# KiCad board mtt_final.kicad_pcb (continued)
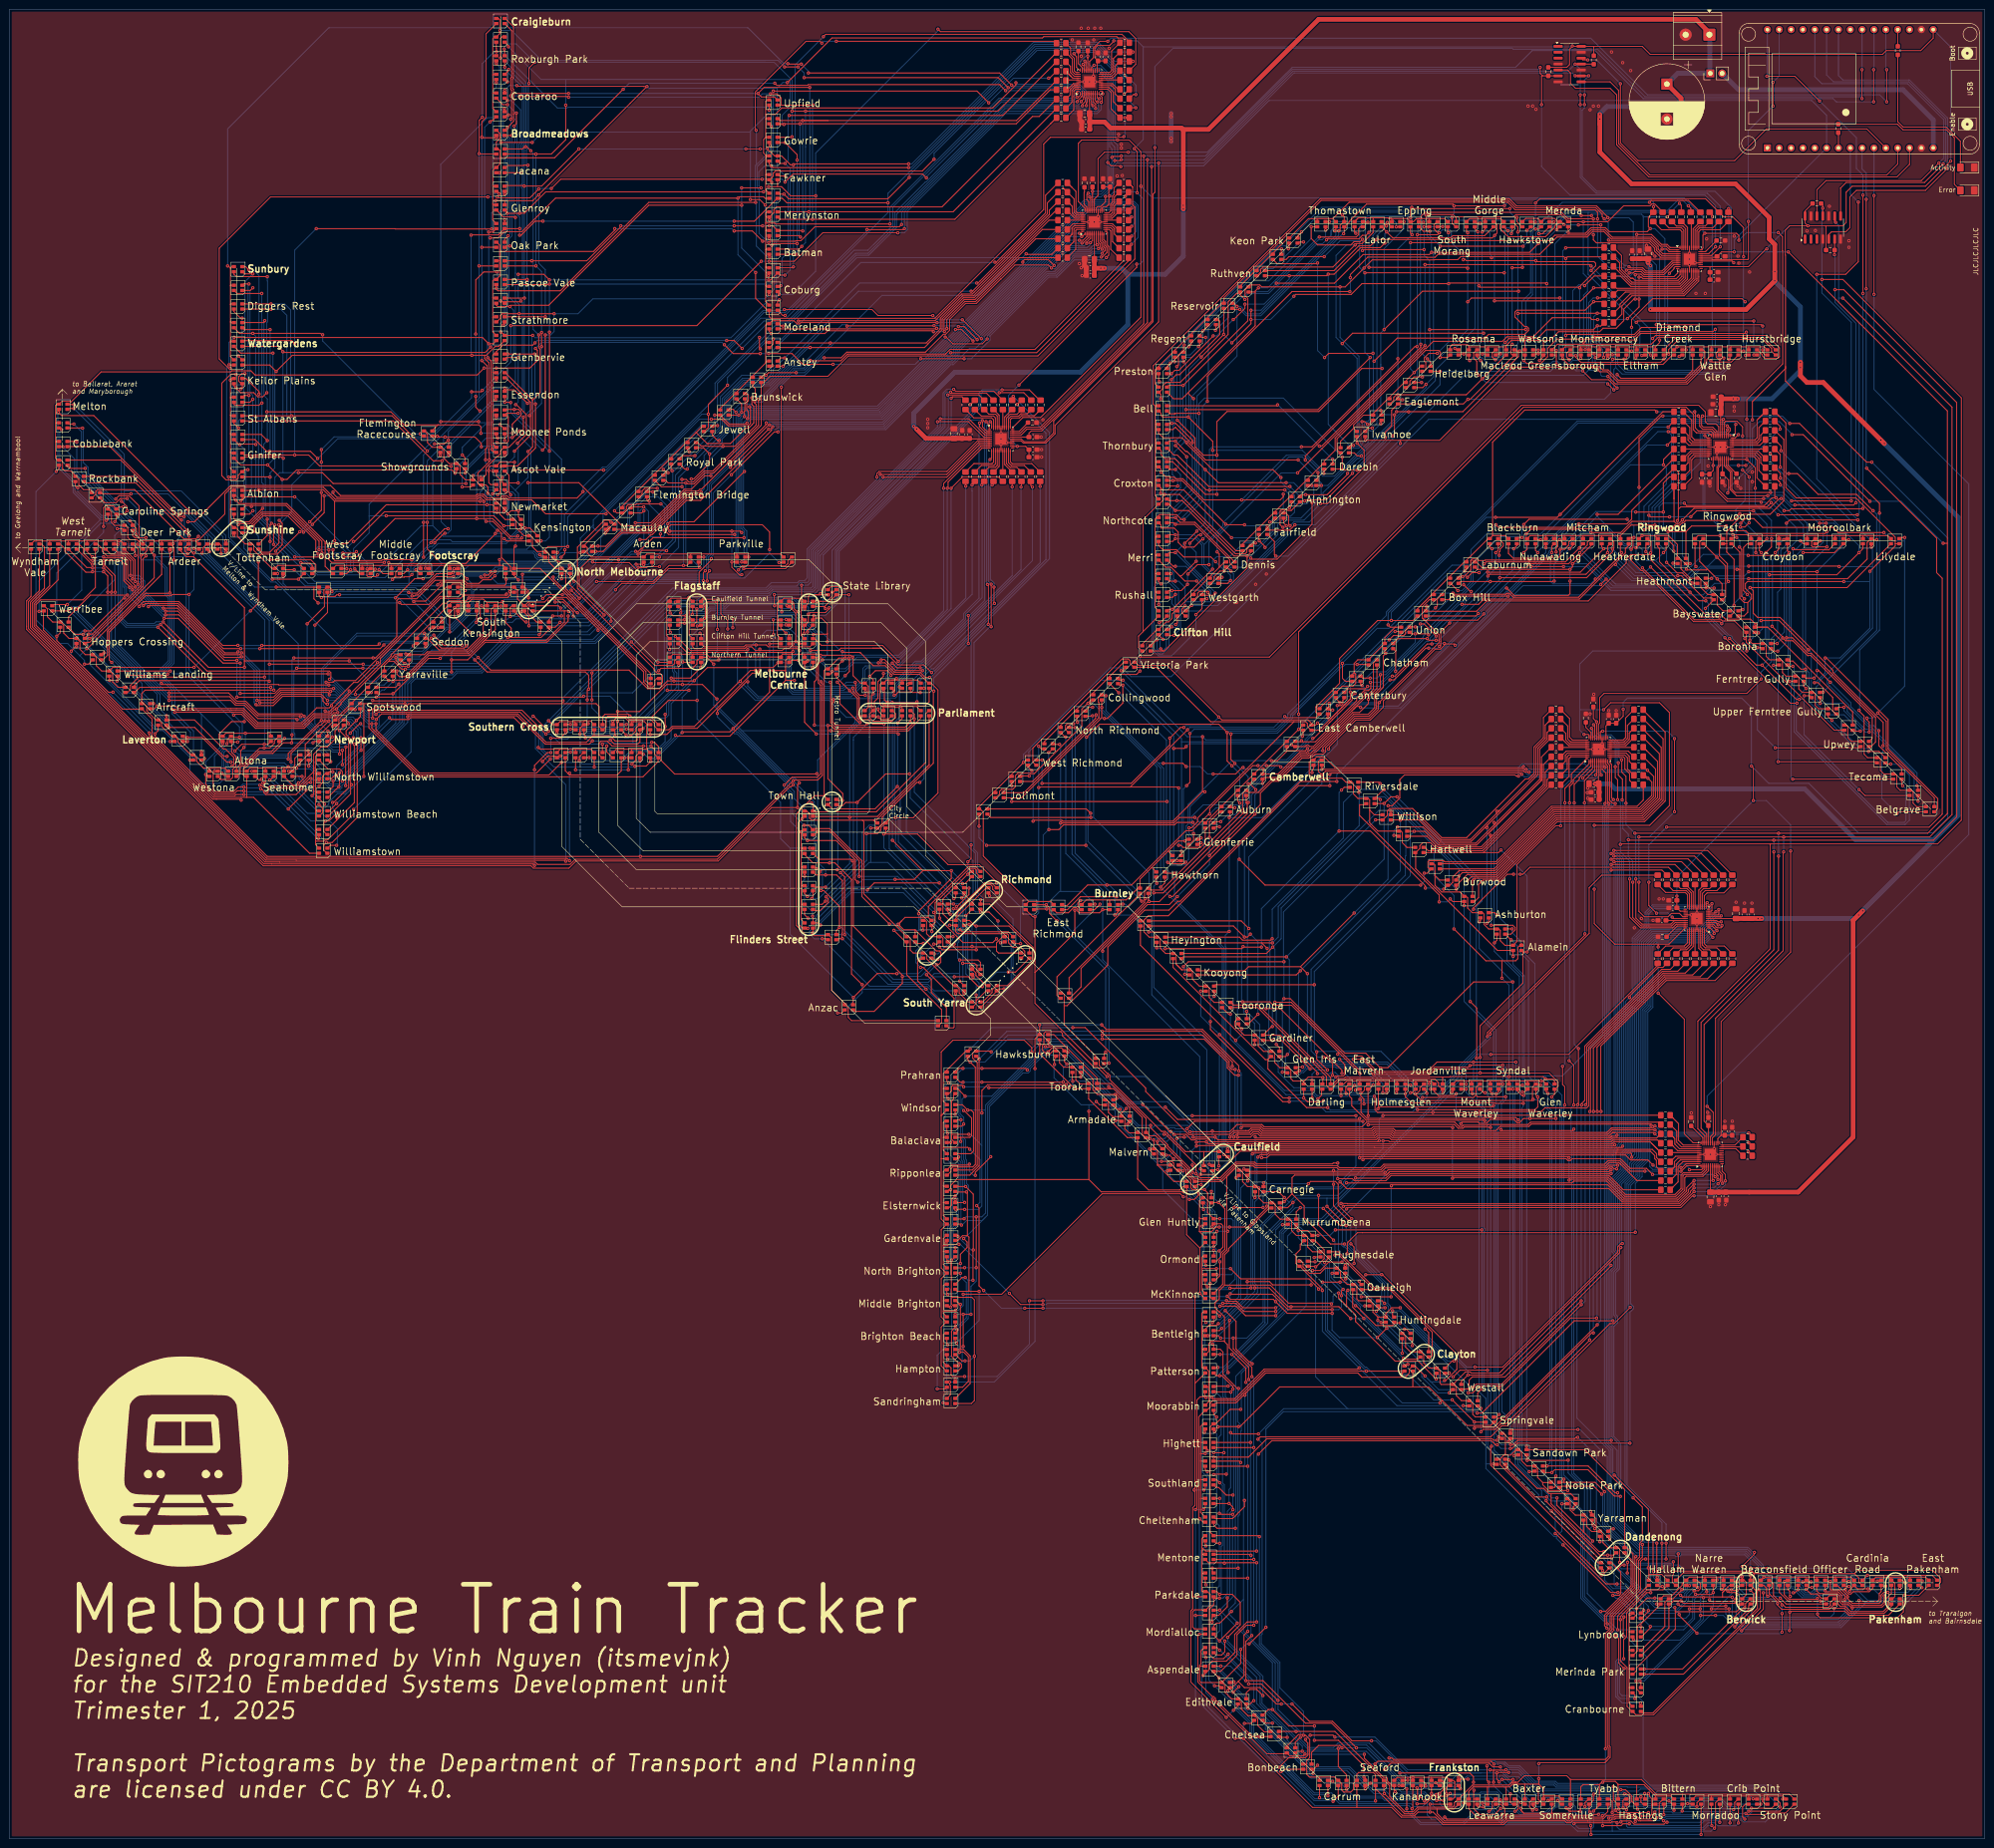
[diagram p0: board, top side]
## Placement (name value [footprint] x y rotation side) (continued)
R137  30R  [R_0805_2012Metric_Pad1.20x1.40mm_HandSolder]  355.07 143.2 180 top
R138  47R  [R_0805_2012Metric_Pad1.20x1.40mm_HandSolder]  355.07 145.2 180 top
R139  30R  [R_0805_2012Metric_Pad1.20x1.40mm_HandSolder]  355.07 147.2 180 top
R140  30R  [R_0805_2012Metric_Pad1.20x1.40mm_HandSolder]  355.07 149.2 180 top
R141  47R  [R_0805_2012Metric_Pad1.20x1.40mm_HandSolder]  355.07 151.2 180 top
R142  30R  [R_0805_2012Metric_Pad1.20x1.40mm_HandSolder]  355.07 153.2 180 top
R143  47R  [R_0805_2012Metric_Pad1.20x1.40mm_HandSolder]  372.67 150.5 0 top
R144  30R  [R_0805_2012Metric_Pad1.20x1.40mm_HandSolder]  355.07 155.2 180 top
R145  30R  [R_0805_2012Metric_Pad1.20x1.40mm_HandSolder]  372.67 148.5 0 top
R146  30R  [R_0805_2012Metric_Pad1.20x1.40mm_HandSolder]  372.67 146.5 0 top
R147  220R  [R_0603_1608Metric_Pad0.98x0.95mm_HandSolder]  404.88 383.6 270 top
R148  220R  [R_0603_1608Metric_Pad0.98x0.95mm_HandSolder]  392.1 366.9 90 top
R149  10k  [R_0603_1608Metric_Pad0.98x0.95mm_HandSolder]  339.7 381.59 90 top
R150  10k  [R_0603_1608Metric_Pad0.98x0.95mm_HandSolder]  329.94 379.09 90 top
R151  10k  [R_0603_1608Metric_Pad0.98x0.95mm_HandSolder]  387.51 350.8 180 top
R152  10k  [R_0603_1608Metric_Pad0.98x0.95mm_HandSolder]  390.41 340.8 180 top
U1  ESP32_DevKit_V1_DOIT  [esp32_devkit_v1_doit]  376.91 375.41 90 top
U2  AW20216S  [QFN-44-1EP_5x5mm_P0.4mm_EP2.45x2.45mm]  231.61 376.9 90 top
U3  AW20216S  [QFN-44-1EP_5x5mm_P0.4mm_EP2.45x2.45mm]  232.62 346.82 90 top
U4  AW20216S  [QFN-44-1EP_5x5mm_P0.4mm_EP2.45x2.45mm]  212.6 300.29 0 top
U5  AW20216S  [QFN-44-1EP_5x5mm_P0.4mm_EP2.45x2.45mm]  360.2 338.85 0 top
U6  AW20216S  [QFN-44-1EP_5x5mm_P0.4mm_EP2.45x2.45mm]  366.88 298.52 270 top
U7  AW20216S  [QFN-44-1EP_5x5mm_P0.4mm_EP2.45x2.45mm]  340.7 233.7 90 top
U8  AW20216S  [QFN-44-1EP_5x5mm_P0.4mm_EP2.45x2.45mm]  361.8 197.38 180 top
U9  AW20216S  [QFN-44-1EP_5x5mm_P0.4mm_EP2.45x2.45mm]  364.69 146.8 90 top
U10  74LS125  [SO-14_3.9x8.65mm_P1.27mm]  334.52 380.71 0 top
U11  74LS125  [SO-14_3.9x8.65mm_P1.27mm]  388.8 345.62 90 top

## Library data of the parts
C1 C4 C6 C9 C11 C12 C15 C17 C18 C21 C23 C24 C27 C29 C30 C33 C35 C36 C39 C41 C42 C45 C47 C48 = -: Description: Unpolarized capacitor; LCSC: C14663; ki_fp_filters: C_*
C2 C7 C13 C19 C25 C31 C37 C43 = -: Description: Unpolarized capacitor; LCSC: C380332; ki_fp_filters: C_*
C3 C5 C8 C10 C14 C16 C20 C22 C26 C28 C32 C34 C38 C40 C44 C46 = -: Description: Unpolarized capacitor; LCSC: C6119849; ki_fp_filters: C_*
C49 = -: Description: Polarized capacitor; LCSC: C2763; ki_fp_filters: CP_*
D1-D469 D471-D507 D511-D515 D517-D519 D523-D525 D529-D531 D535-D537 D541-D543 D547-D549 D553-D555 D559-D561 D565-D567 D571-D573 = -: Datasheet: https://www.lcsc.com/datasheet/lcsc_datasheet_2410121250_Foshan-NationStar-Optoelectronics-NH-B2020RGBA-HF_C2874116.pdf; Description: 2.1x2.1mm RGBA LED; LCSC: C2874116; ki_fp_filters: LED* LED_SMD:* LED_THT:*
D508 D509 = -: Description: Light emitting diode; LCSC: C965822; ki_fp_filters: LED* LED_SMD:* LED_THT:*
J1 = -: Description: Generic screw terminal, single row, 01x02, script generated (kicad-library-utils/schlib/autogen/connector/); LCSC: C5183929; ki_fp_filters: TerminalBlock*:*
JP1 = -: Description: Jumper, 2-pole, closed/bridged; ki_fp_filters: Jumper* TestPoint*2Pads* TestPoint*Bridge*
R1 R20 R39 R58 R77 R96 R115 R134 R149-R152 = -: Description: Resistor; LCSC: C2930231; ki_fp_filters: R_*
R2 R5 R8 R11 R14 R17 R21 R24 R27 R30 R33 R36 R40 R43 R46 R49 R52 R55 R59 R62 R65 R68 R71 R74 R78 R81 R84 R87 R90 R93 R97 R100 R103 R106 R109 R112 R116 R119 R122 R125 R128 R131 R135 R138 R141 R143 = -: Description: Resistor; LCSC: C139871; ki_fp_filters: R_*
R3 R4 R6 R7 R9 R10 R12 R13 R15 R16 R18 R19 R22 R23 R25 R26 R28 R29 R31 R32 R34 R35 R37 R38 R41 R42 R44 R45 R47 R48 R50 R51 R53 R54 R56 R57 R60 R61 R63 R64 R66 R67 R69 R70 R72 R73 R75 R76 R79 R80 R82 R83 R85 R86 R88 R89 R91 R92 R94 R95 R98 R99 R101 R102 R104 R105 R107 R108 R110 R111 R113 R114 R117 R118 R120 R121 R123 R124 R126 R127 R129 R130 R132 R133 R136 R137 R139 R140 R142 R144-R146 = -: Description: Resistor; LCSC: C3017821; ki_fp_filters: R_*
R147 R148 = -: Description: Resistor; LCSC: C2907127; ki_fp_filters: R_*
U1 = -: Datasheet: https://aliexpress.com/item/32864722159.html; Description: 32-bit microcontroller module with WiFi and Bluetooth; ki_fp_filters: esp32?devkit?v1?doit*
U2-U9 = -: Datasheet: https://doc.awinic.com/doc/202412/a055779b-49c0-4d09-8f04-73029f44b72b.pdf; Description: 18x12 Matrix LED Driver with Auto Breath; LCSC: C7385556
U10 U11 = -: Datasheet: http://www.ti.com/lit/gpn/sn74LS125; Description: Quad buffer 3-State outputs; LCSC: C93012; ki_fp_filters: DIP*W7.62mm*

## Footprints (pads in the part's own frame, mm; a bottom-side part is the same pattern mirrored in y, then rotated)
C_0603_1608Metric_Pad1.08x0.95mm_HandSolder
  rrect 1.075x0.95 smd: 1(-0.863,0) 2(0.863,0)
C_0805_2012Metric_Pad1.18x1.45mm_HandSolder
  rrect 1.175x1.45 smd: 1(-1.038,0) 2(1.038,0)
CP_Radial_D16.0mm_P7.50mm
  rect 2.4x2.4 hole 1.2: 1(0,0)
  round 2.4 hole 1.2: 2(7.5,0)
esp32_devkit_v1_doit
  rect 1.524x1.524 hole 0.762: 1(-12.7,0)
  round 1.524 hole 0.762: 2(-12.7,-2.54) 3(-12.7,-5.08) 4(-12.7,-7.62) 5(-12.7,-10.16) 6(-12.7,-12.7) 7(-12.7,-15.24) 8(-12.7,-17.78) 9(-12.7,-20.32) 10(-12.7,-22.86) 11(-12.7,-25.4) 12(-12.7,-27.94) 13(-12.7,-30.48) 14(-12.7,-33.02) 15(-12.7,-35.56) 16(12.7,-35.56) 17(12.7,-33.02) 18(12.7,-30.48) 19(12.7,-27.94) 20(12.7,-25.4) 21(12.7,-22.86) 22(12.7,-20.32) 23(12.7,-17.78) 24(12.7,-15.24) 25(12.7,-12.7) 26(12.7,-10.16) 27(12.7,-7.62) 28(12.7,-5.08) 29(12.7,-2.54) 30(12.7,0)
LED_1206_3216Metric_Pad1.42x1.75mm_HandSolder
  rrect 1.425x1.75 smd: 1(-1.488,0) 2(1.488,0)
LED_RGB_Foshan-2020
  rrect 0.9x0.7 smd: 1(0.9,-0.55) 2(-0.9,-0.55) 3(-0.9,0.55) 4(0.9,0.55)
PinHeader_1x02_P2.54mm_Vertical
  rect 1.7x1.7 hole 1: 1(0,0)
  round 1.7 hole 1: 2(0,-2.54)
QFN-44-1EP_5x5mm_P0.4mm_EP2.45x2.45mm
  rrect 0.66x0.66 smd: (-0.82,0.82) (-0.82,0) (-0.82,-0.82) (0,0.82) (0,0) (0,-0.82) (0.82,0.82) (0.82,0) (0.82,-0.82)
  rrect 0.725x0.2 smd: 1(-2.515,2) 11(-2.515,-2) 23(2.515,-2) 33(2.515,2)
  rrect 0.975x0.2 smd: 2(-2.388,1.6) 3(-2.388,1.2) 4(-2.388,0.8) 5(-2.388,0.4) 6(-2.388,0) 7(-2.388,-0.4) 8(-2.388,-0.8) 9(-2.388,-1.2) 10(-2.388,-1.6) 24(2.388,-1.6) 25(2.388,-1.2) 26(2.388,-0.8) 27(2.388,-0.4) 28(2.388,0) 29(2.388,0.4) 30(2.388,0.8) 31(2.388,1.2) 32(2.388,1.6)
  rrect 0.2x0.725 smd: 12(-2,-2.515) 22(2,-2.515) 34(2,2.515) 44(-2,2.515)
  rrect 0.2x0.975 smd: 13(-1.6,-2.388) 14(-1.2,-2.388) 15(-0.8,-2.388) 16(-0.4,-2.388) 17(0,-2.388) 18(0.4,-2.388) 19(0.8,-2.388) 20(1.2,-2.388) 21(1.6,-2.388) 35(1.6,2.388) 36(1.2,2.388) 37(0.8,2.388) 38(0.4,2.388) 39(0,2.388) 40(-0.4,2.388) 41(-0.8,2.388) 42(-1.2,2.388) 43(-1.6,2.388)
  rect 2.45x2.45 smd: 45(0,0)
R_0603_1608Metric_Pad0.98x0.95mm_HandSolder
  rrect 0.975x0.95 smd: 1(-0.912,0) 2(0.912,0)
R_0805_2012Metric_Pad1.20x1.40mm_HandSolder
  rrect 1.2x1.4 smd: 1(-1,0) 2(1,0)
SO-14_3.9x8.65mm_P1.27mm
  rrect 1.95x0.6 smd: 1(-2.475,3.81) 2(-2.475,2.54) 3(-2.475,1.27) 4(-2.475,0) 5(-2.475,-1.27) 6(-2.475,-2.54) 7(-2.475,-3.81) 8(2.475,-3.81) 9(2.475,-2.54) 10(2.475,-1.27) 11(2.475,0) 12(2.475,1.27) 13(2.475,2.54) 14(2.475,3.81)
TerminalBlock_Phoenix_MKDS-1,5-2-5.08_1x02_P5.08mm_Horizontal
  rrect 2.6x2.6 hole 1.3: 1(0,0)
  round 2.6 hole 1.3: 2(5.08,0)

## Nets
+3.3V: C5.2 C6.2 C10.2 C11.2 C16.2 C17.2 C22.2 C23.2 C28.2 C29.2 C34.2 C35.2 C40.2 C41.2 C46.2 C47.2 R149.2 R150.2 R151.2 R152.2 U1.16 U2.24 U3.24 U4.24 U5.24 U6.24 U7.24 U8.24 U9.24 U10.14 U11.14
+5V: C2.2 C3.2 C4.2 C7.2 C8.2 C9.2 C13.2 C14.2 C15.2 C19.2 C20.2 C21.2 C25.2 C26.2 C27.2 C31.2 C32.2 C33.2 C37.2 C38.2 C39.2 C43.2 C44.2 C45.2 C49.1 J1.1 JP1.1 U2.6 U3.6 U4.6 U5.6 U6.6 U7.6 U8.6 U9.6
GND: C1.1 C2.1 C3.1 C4.1 C5.1 C6.1 C7.1 C8.1 C9.1 C10.1 C11.1 C12.1 C13.1 C14.1 C15.1 C16.1 C17.1 C18.1 C19.1 C20.1 C21.1 C22.1 C23.1 C24.1 C25.1 C26.1 C27.1 C28.1 C29.1 C30.1 C31.1 C32.1 C33.1 C34.1 C35.1 C36.1 C37.1 C38.1 C39.1 C40.1 C41.1 C42.1 C43.1 C44.1 C45.1 C46.1 C47.1 C48.1 C49.2 D508.1 D509.1 J1.2 R1.1 R20.1 R39.1 R58.1 R77.1 R96.1 R115.1 R134.1 U1.14 U1.17 U2.17 U2.26 U2.39 U2.45 U3.17 U3.26 U3.39 U3.45 U4.17 U4.26 U4.39 U4.45 U5.17 U5.26 U5.39 U5.45 U6.17 U6.26 U6.39 U6.45 U7.17 U7.26 U7.39 U7.45 U8.17 U8.26 U8.39 U8.45 U9.17 U9.26 U9.39 U9.45 U10.4 U10.7 U10.10 U10.13 U11.4 U11.7 U11.10 U11.13
/DRV_EN: C1.2 C12.2 C18.2 C24.2 C30.2 C36.2 C42.2 C48.2 U1.6 U2.29 U3.29 U4.29 U5.29 U6.29 U7.29 U8.29 U9.29
/H_MISO_UB: U1.12 U10.8
/H_MOSI_UB: U1.13 U10.5
/H_SCK_UB: U1.11 U10.12
/L0_A0: D1.3 D2.3 D3.3 D4.3 D5.3 D6.3 U2.7
/L0_A1: D7.3 D8.3 D9.3 D10.3 D11.3 D12.3 U2.5
/L0_A2: D13.3 D14.3 D15.3 D16.3 D17.3 D18.3 U2.8
/L0_A3: D19.3 D20.3 D21.3 D22.3 D23.3 D24.3 U2.4
/L0_A4: D25.3 D26.3 D27.3 D28.3 D29.3 D30.3 U2.9
/L0_A5: D31.3 D32.3 D33.3 D34.3 D35.3 D36.3 U2.3
/L0_A6: D37.3 D38.3 D39.3 D40.3 D41.3 D42.3 U2.10
/L0_A7: D43.3 D44.3 D45.3 D46.3 D47.3 D48.3 U2.2
/L0_A8: D49.3 D50.3 D51.3 D52.3 D53.3 D54.3 U2.11
/L0_A9: D55.3 D56.3 D57.3 D58.3 D59.3 D60.3 U2.1
/L0_A10: D61.3 D62.3 D63.3 D64.3 D65.3 D66.3 U2.12
/L0_A11: D67.3 D68.3 D69.3 D70.3 D71.3 D72.3 U2.44
/L0_CS: U1.20 U2.28
/L0_K0B: R4.1 U2.41
/L0_K0G: R3.1 U2.42
/L0_K0R: R2.1 U2.43
/L0_K1B: R7.1 U2.37
/L0_K1G: R6.1 U2.38
/L0_K1R: R5.1 U2.40
/L0_K2B: R10.1 U2.34
/L0_K2G: R9.1 U2.35
/L0_K2R: R8.1 U2.36
/L0_K3B: R13.1 U2.20
/L0_K3G: R12.1 U2.21
/L0_K3R: R11.1 U2.22
/L0_K4B: R16.1 U2.16
/L0_K4G: R15.1 U2.18
/L0_K4R: R14.1 U2.19
/L0_K5B: R19.1 U2.13
/L0_K5G: R18.1 U2.14
/L0_K5R: R17.1 U2.15
/L1_A0: D73.3 D74.3 D75.3 D76.3 D77.3 D78.3 U3.7
/L1_A1: D79.3 D80.3 D81.3 D82.3 D83.3 D84.3 U3.5
/L1_A2: D85.3 D86.3 D87.3 D88.3 D89.3 D90.3 U3.8
/L1_A3: D91.3 D92.3 D93.3 D94.3 D95.3 D96.3 U3.4
/L1_A4: D97.3 D98.3 D99.3 D100.3 D101.3 D102.3 U3.9
/L1_A5: D103.3 D104.3 D105.3 D106.3 D107.3 D108.3 U3.3
/L1_A6: D109.3 D110.3 D111.3 D112.3 D113.3 D114.3 U3.10
/L1_A7: D115.3 D116.3 D117.3 D118.3 D119.3 D120.3 U3.2
/L1_A8: D121.3 D122.3 D123.3 D124.3 D125.3 D126.3 U3.11
/L1_A9: D127.3 D128.3 D129.3 D130.3 D131.3 D132.3 U3.1
/L1_A10: D133.3 D134.3 D135.3 D136.3 D137.3 D138.3 U3.12
/L1_A11: D139.3 D140.3 D141.3 D142.3 D143.3 D144.3 U3.44
/L1_CS: U1.21 U3.28
/L1_K0B: R23.1 U3.41
/L1_K0G: R22.1 U3.42
/L1_K0R: R21.1 U3.43
/L1_K1B: R26.1 U3.37
/L1_K1G: R25.1 U3.38
/L1_K1R: R24.1 U3.40
/L1_K2B: R29.1 U3.34
/L1_K2G: R28.1 U3.35
/L1_K2R: R27.1 U3.36
/L1_K3B: R32.1 U3.20
/L1_K3G: R31.1 U3.21
/L1_K3R: R30.1 U3.22
/L1_K4B: R35.1 U3.16
/L1_K4G: R34.1 U3.18
/L1_K4R: R33.1 U3.19
/L1_K5B: R38.1 U3.13
/L1_K5G: R37.1 U3.14
/L1_K5R: R36.1 U3.15
/L2_A0: D145.3 D146.3 D147.3 D148.3 D149.3 D150.3 U4.7
/L2_A1: D151.3 D152.3 D153.3 D154.3 D155.3 D156.3 U4.5
/L2_A2: D157.3 D158.3 D159.3 D160.3 D161.3 D162.3 U4.8
/L2_A3: D163.3 D164.3 D165.3 D166.3 D167.3 D168.3 U4.4
/L2_A4: D169.3 D170.3 D171.3 D172.3 D173.3 D174.3 U4.9
/L2_A5: D175.3 D176.3 D177.3 D178.3 D179.3 D180.3 U4.3
/L2_A6: D181.3 D182.3 D183.3 D184.3 D185.3 D186.3 U4.10
/L2_A7: D187.3 D188.3 D189.3 D190.3 D191.3 D192.3 U4.2
/L2_A8: D193.3 D194.3 D195.3 D196.3 D197.3 D198.3 U4.11
/L2_A9: D199.3 D200.3 D201.3 D202.3 D203.3 D204.3 U4.1
/L2_A10: D205.3 D206.3 D207.3 D208.3 D209.3 D210.3 U4.12
/L2_A11: D211.3 D212.3 D213.3 D214.3 D215.3 D216.3 U4.44
/L2_CS: U1.22 U4.28
/L2_K0B: R42.1 U4.41
/L2_K0G: R41.1 U4.42
/L2_K0R: R40.1 U4.43
/L2_K1B: R45.1 U4.37
/L2_K1G: R44.1 U4.38
/L2_K1R: R43.1 U4.40
/L2_K2B: R48.1 U4.34
/L2_K2G: R47.1 U4.35
/L2_K2R: R46.1 U4.36
/L2_K3B: R51.1 U4.20
/L2_K3G: R50.1 U4.21
/L2_K3R: R49.1 U4.22
/L2_K4B: R54.1 U4.16
/L2_K4G: R53.1 U4.18
/L2_K4R: R52.1 U4.19
/L2_K5B: R57.1 U4.13
/L2_K5G: R56.1 U4.14
/L2_K5R: R55.1 U4.15
/L3_A0: D217.3 D218.3 D219.3 D220.3 D221.3 D222.3 U5.7
/L3_A1: D223.3 D224.3 D225.3 D226.3 D227.3 D228.3 U5.5
/L3_A2: D229.3 D230.3 D231.3 D232.3 D233.3 D234.3 U5.8
/L3_A3: D235.3 D236.3 D237.3 D238.3 D239.3 D240.3 U5.4
/L3_A4: D241.3 D242.3 D243.3 D244.3 D245.3 D246.3 U5.9
/L3_A5: D247.3 D248.3 D249.3 D250.3 D251.3 D252.3 U5.3
/L3_A6: D253.3 D254.3 D255.3 D256.3 D257.3 D258.3 U5.10
/L3_A7: D259.3 D260.3 D261.3 D262.3 D263.3 D264.3 U5.2
/L3_A8: D265.3 D266.3 D267.3 D268.3 D269.3 D270.3 U5.11
/L3_A9: D271.3 D272.3 D273.3 D274.3 D275.3 D276.3 U5.1
/L3_A10: D277.3 D278.3 D279.3 D280.3 D281.3 D282.3 U5.12
/L3_A11: D283.3 D284.3 D285.3 D286.3 D287.3 D288.3 U5.44
/L3_CS: U1.29 U5.28
/L3_K0B: R61.1 U5.41
/L3_K0G: R60.1 U5.42
/L3_K0R: R59.1 U5.43
/L3_K1B: R64.1 U5.37
/L3_K1G: R63.1 U5.38
/L3_K1R: R62.1 U5.40
/L3_K2B: R67.1 U5.34
/L3_K2G: R66.1 U5.35
/L3_K2R: R65.1 U5.36
/L3_K3B: R70.1 U5.20
/L3_K3G: R69.1 U5.21
/L3_K3R: R68.1 U5.22
/L3_K4B: R73.1 U5.16
/L3_K4G: R72.1 U5.18
/L3_K4R: R71.1 U5.19
/L3_K5B: R76.1 U5.13
/L3_K5G: R75.1 U5.14
/L3_K5R: R74.1 U5.15
/L4_A0: D289.3 D290.3 D291.3 D292.3 D293.3 D294.3 U6.7
/L4_A1: D295.3 D296.3 D297.3 D298.3 D299.3 D300.3 U6.5
/L4_A2: D301.3 D302.3 D303.3 D304.3 D305.3 D306.3 U6.8
/L4_A3: D307.3 D308.3 D309.3 D310.3 D311.3 D312.3 U6.4
/L4_A4: D313.3 D314.3 D315.3 D316.3 D317.3 D318.3 U6.9
/L4_A5: D319.3 D320.3 D321.3 D322.3 D323.3 D324.3 U6.3
/L4_A6: D325.3 D326.3 D327.3 D328.3 D329.3 D330.3 U6.10
/L4_A7: D331.3 D332.3 D333.3 D334.3 D335.3 D336.3 U6.2
/L4_A8: D337.3 D338.3 D339.3 D340.3 D341.3 D342.3 U6.11
/L4_A9: D343.3 D344.3 D345.3 D346.3 D347.3 D348.3 U6.1
/L4_A10: D349.3 D350.3 D351.3 D352.3 D353.3 D354.3 U6.12
/L4_A11: D355.3 D356.3 D429.3 D430.3 D431.3 D432.3 U6.44
/L4_CS: U1.30 U6.28
/L4_K0B: R80.1 U6.41
/L4_K0G: R79.1 U6.42
/L4_K0R: R78.1 U6.43
/L4_K1B: R83.1 U6.37
/L4_K1G: R82.1 U6.38
/L4_K1R: R81.1 U6.40
/L4_K2B: R86.1 U6.34
/L4_K2G: R85.1 U6.35
/L4_K2R: R84.1 U6.36
/L4_K3B: R89.1 U6.20
/L4_K3G: R88.1 U6.21
/L4_K3R: R87.1 U6.22
/L4_K4B: R92.1 U6.16
/L4_K4G: R91.1 U6.18
/L4_K4R: R90.1 U6.19
/L4_K5B: R95.1 U6.13
/L4_K5G: R94.1 U6.14
/L4_K5R: R93.1 U6.15
/L5_A0: D357.3 D358.3 D359.3 D360.3 D361.3 D362.3 U7.7
/L5_A1: D363.3 D364.3 D365.3 D366.3 D367.3 D368.3 U7.5
/L5_A2: D369.3 D370.3 D371.3 D372.3 D373.3 D374.3 U7.8
/L5_A3: D375.3 D376.3 D377.3 D378.3 D379.3 D380.3 U7.4
/L5_A4: D381.3 D382.3 D383.3 D384.3 D385.3 D386.3 U7.9
/L5_A5: D387.3 D388.3 D389.3 D390.3 D391.3 D392.3 U7.3
/L5_A6: D393.3 D394.3 D395.3 D396.3 D397.3 D398.3 U7.10
/L5_A7: D399.3 D400.3 D401.3 D402.3 D403.3 D404.3 U7.2
/L5_A8: D405.3 D406.3 D407.3 D408.3 D409.3 D410.3 U7.11
/L5_A9: D411.3 D412.3 D413.3 D414.3 D415.3 D416.3 U7.1
/L5_A10: D417.3 D418.3 D419.3 D420.3 D421.3 D422.3 U7.12
/L5_A11: D423.3 D424.3 D425.3 D426.3 D427.3 D428.3 U7.44
/L5_CS: U1.8 U7.28
/L5_K0B: R99.1 U7.41
/L5_K0G: R98.1 U7.42
/L5_K0R: R97.1 U7.43
/L5_K1B: R102.1 U7.37
/L5_K1G: R101.1 U7.38
/L5_K1R: R100.1 U7.40
/L5_K2B: R105.1 U7.34
/L5_K2G: R104.1 U7.35
/L5_K2R: R103.1 U7.36
/L5_K3B: R108.1 U7.20
/L5_K3G: R107.1 U7.21
/L5_K3R: R106.1 U7.22
/L5_K4B: R111.1 U7.16
/L5_K4G: R110.1 U7.18
/L5_K4R: R109.1 U7.19
/L5_K5B: R114.1 U7.13
/L5_K5G: R113.1 U7.14
/L5_K5R: R112.1 U7.15
/L6_A0: D433.3 D434.3 D435.3 D436.3 D437.3 D438.3 U8.7
/L6_A1: D439.3 D440.3 D441.3 D442.3 D443.3 D444.3 U8.5
/L6_A2: D445.3 D446.3 D447.3 D448.3 D449.3 D450.3 U8.8
/L6_A3: D451.3 D452.3 D453.3 D454.3 D455.3 D456.3 U8.4
/L6_A4: D457.3 D458.3 D459.3 D460.3 D461.3 D462.3 U8.9
/L6_A5: D463.3 D464.3 D465.3 D466.3 D467.3 D468.3 U8.3
/L6_A6: D469.3 D471.3 D472.3 D473.3 D474.3 U8.10
/L6_A7: D475.3 D476.3 D477.3 D478.3 D479.3 D480.3 U8.2
/L6_A8: D481.3 D482.3 D483.3 D484.3 D485.3 D486.3 U8.11
/L6_A9: D487.3 D488.3 D489.3 D490.3 D491.3 D492.3 U8.1
/L6_A10: D493.3 D494.3 D495.3 D496.3 D497.3 D498.3 U8.12
/L6_A11: D499.3 D500.3 D501.3 D502.3 D503.3 D504.3 U8.44
/L6_CS: U1.9 U8.28
/L6_K0B: R118.1 U8.41
/L6_K0G: R117.1 U8.42
/L6_K0R: R116.1 U8.43
/L6_K1B: R121.1 U8.37
/L6_K1G: R120.1 U8.38
/L6_K1R: R119.1 U8.40
/L6_K2B: R124.1 U8.34
/L6_K2G: R123.1 U8.35
/L6_K2R: R122.1 U8.36
/L6_K3B: R127.1 U8.20
/L6_K3G: R126.1 U8.21
/L6_K3R: R125.1 U8.22
/L6_K4B: R130.1 U8.16
/L6_K4G: R129.1 U8.18
/L6_K4R: R128.1 U8.19
/L6_K5B: R133.1 U8.13
/L6_K5G: R132.1 U8.14
/L6_K5R: R131.1 U8.15
/L7_A0: D505.3 D506.3 D507.3 U9.7
/L7_A1: D511.3 D512.3 D513.3 U9.5
/L7_A2: D517.3 D518.3 D519.3 U9.8
/L7_A3: D523.3 D524.3 D525.3 U9.4
/L7_A4: D529.3 D530.3 D531.3 U9.9
/L7_A5: D535.3 D536.3 D537.3 U9.3
/L7_A6: D541.3 D542.3 D543.3 U9.10
/L7_A7: D547.3 D548.3 D549.3 U9.2
/L7_A8: D553.3 D554.3 D555.3 U9.11
/L7_A9: D515.3 D559.3 D560.3 D561.3 U9.1
/L7_A10: D565.3 D566.3 D567.3 U9.12
/L7_A11: D514.3 D571.3 D572.3 D573.3 U9.44
/L7_CS: U1.10 U9.28
/L7_K0B: R137.1 U9.41
/L7_K0G: R136.1 U9.42
/L7_K0R: R135.1 U9.43
/L7_K1B: R140.1 U9.37
/L7_K1G: R139.1 U9.38
/L7_K1R: R138.1 U9.40
/L7_K2B: R144.1 U9.34
/L7_K2G: R142.1 U9.35
/L7_K2R: R141.1 U9.36
/L7_K3G: R145.1 U9.21
/L7_K3R: R143.1 U9.22
/L7_K4G: R146.1 U9.20
/MISO_A: U2.27 U3.27 U4.27 U5.27 U10.9
/MISO_B: U6.27 U7.27 U8.27 U9.27 U11.9
/MOSI_A: R150.1 U2.31 U3.31 U4.31 U5.31 U10.6
/MOSI_B: R151.1 U6.31 U7.31 U8.31 U9.31 U11.11
/SCK_A: R149.1 U2.30 U3.30 U4.30 U5.30 U10.11
/SCK_B: R152.1 U6.30 U7.30 U8.30 U9.30 U11.6
/SYNC: U2.33 U3.33 U4.33 U5.33 U6.33 U7.33 U8.33 U9.33
/V_MISO_UB: U1.25 U11.8
/V_MOSI_UB: U1.26 U11.12
/V_SCK_UB: U1.24 U11.5
Net-(D1-BK): D1.2 D7.2 D13.2 D19.2 D25.2 D31.2 D37.2 D43.2 D49.2 D55.2 D61.2 D67.2 R4.2
Net-(D1-GK): D1.4 D7.4 D13.4 D19.4 D25.4 D31.4 D37.4 D43.4 D49.4 D55.4 D61.4 D67.4 R3.2
Net-(D1-RK): D1.1 D7.1 D13.1 D19.1 D25.1 D31.1 D37.1 D43.1 D49.1 D55.1 D61.1 D67.1 R2.2
Net-(D10-BK): D4.2 D10.2 D16.2 D22.2 D28.2 D34.2 D40.2 D46.2 D52.2 D58.2 D64.2 D70.2 R13.2
Net-(D10-GK): D4.4 D10.4 D16.4 D22.4 D28.4 D34.4 D40.4 D46.4 D52.4 D58.4 D64.4 D70.4 R12.2
Net-(D10-RK): D4.1 D10.1 D16.1 D22.1 D28.1 D34.1 D40.1 D46.1 D52.1 D58.1 D64.1 D70.1 R11.2
Net-(D11-BK): D5.2 D11.2 D17.2 D23.2 D29.2 D35.2 D41.2 D47.2 D53.2 D59.2 D65.2 D71.2 R16.2
Net-(D11-GK): D5.4 D11.4 D17.4 D23.4 D29.4 D35.4 D41.4 D47.4 D53.4 D59.4 D65.4 D71.4 R15.2
Net-(D11-RK): D5.1 D11.1 D17.1 D23.1 D29.1 D35.1 D41.1 D47.1 D53.1 D59.1 D65.1 D71.1 R14.2
Net-(D12-BK): D6.2 D12.2 D18.2 D24.2 D30.2 D36.2 D42.2 D48.2 D54.2 D60.2 D66.2 D72.2 R19.2
Net-(D12-GK): D6.4 D12.4 D18.4 D24.4 D30.4 D36.4 D42.4 D48.4 D54.4 D60.4 D66.4 D72.4 R18.2
Net-(D12-RK): D6.1 D12.1 D18.1 D24.1 D30.1 D36.1 D42.1 D48.1 D54.1 D60.1 D66.1 D72.1 R17.2
Net-(D14-BK): D2.2 D8.2 D14.2 D20.2 D26.2 D32.2 D38.2 D44.2 D50.2 D56.2 D62.2 D68.2 R7.2
Net-(D14-GK): D2.4 D8.4 D14.4 D20.4 D26.4 D32.4 D38.4 D44.4 D50.4 D56.4 D62.4 D68.4 R6.2
Net-(D14-RK): D2.1 D8.1 D14.1 D20.1 D26.1 D32.1 D38.1 D44.1 D50.1 D56.1 D62.1 D68.1 R5.2
Net-(D15-BK): D3.2 D9.2 D15.2 D21.2 D27.2 D33.2 D39.2 D45.2 D51.2 D57.2 D63.2 D69.2 R10.2
Net-(D15-GK): D3.4 D9.4 D15.4 D21.4 D27.4 D33.4 D39.4 D45.4 D51.4 D57.4 D63.4 D69.4 R9.2
Net-(D15-RK): D3.1 D9.1 D15.1 D21.1 D27.1 D33.1 D39.1 D45.1 D51.1 D57.1 D63.1 D69.1 R8.2
Net-(D100-BK): D76.2 D82.2 D88.2 D94.2 D100.2 D106.2 D112.2 D118.2 D124.2 D130.2 D136.2 D142.2 R32.2
Net-(D100-GK): D76.4 D82.4 D88.4 D94.4 D100.4 D106.4 D112.4 D118.4 D124.4 D130.4 D136.4 D142.4 R31.2
Net-(D100-RK): D76.1 D82.1 D88.1 D94.1 D100.1 D106.1 D112.1 D118.1 D124.1 D130.1 D136.1 D142.1 R30.2
Net-(D101-BK): D77.2 D83.2 D89.2 D95.2 D101.2 D107.2 D113.2 D119.2 D125.2 D131.2 D137.2 D143.2 R35.2
Net-(D101-GK): D77.4 D83.4 D89.4 D95.4 D101.4 D107.4 D113.4 D119.4 D125.4 D131.4 D137.4 D143.4 R34.2
Net-(D101-RK): D77.1 D83.1 D89.1 D95.1 D101.1 D107.1 D113.1 D119.1 D125.1 D131.1 D137.1 D143.1 R33.2
Net-(D102-BK): D78.2 D84.2 D90.2 D96.2 D102.2 D108.2 D114.2 D120.2 D126.2 D132.2 D138.2 D144.2 R38.2
Net-(D102-GK): D78.4 D84.4 D90.4 D96.4 D102.4 D108.4 D114.4 D120.4 D126.4 D132.4 D138.4 D144.4 R37.2
Net-(D102-RK): D78.1 D84.1 D90.1 D96.1 D102.1 D108.1 D114.1 D120.1 D126.1 D132.1 D138.1 D144.1 R36.2
Net-(D103-BK): D73.2 D79.2 D85.2 D91.2 D97.2 D103.2 D109.2 D115.2 D121.2 D127.2 D133.2 D139.2 R23.2
Net-(D103-GK): D73.4 D79.4 D85.4 D91.4 D97.4 D103.4 D109.4 D115.4 D121.4 D127.4 D133.4 D139.4 R22.2
Net-(D103-RK): D73.1 D79.1 D85.1 D91.1 D97.1 D103.1 D109.1 D115.1 D121.1 D127.1 D133.1 D139.1 R21.2
Net-(D104-BK): D74.2 D80.2 D86.2 D92.2 D98.2 D104.2 D110.2 D116.2 D122.2 D128.2 D134.2 D140.2 R26.2
Net-(D104-GK): D74.4 D80.4 D86.4 D92.4 D98.4 D104.4 D110.4 D116.4 D122.4 D128.4 D134.4 D140.4 R25.2
Net-(D104-RK): D74.1 D80.1 D86.1 D92.1 D98.1 D104.1 D110.1 D116.1 D122.1 D128.1 D134.1 D140.1 R24.2
Net-(D105-BK): D75.2 D81.2 D87.2 D93.2 D99.2 D105.2 D111.2 D117.2 D123.2 D129.2 D135.2 D141.2 R29.2
Net-(D105-GK): D75.4 D81.4 D87.4 D93.4 D99.4 D105.4 D111.4 D117.4 D123.4 D129.4 D135.4 D141.4 R28.2
Net-(D105-RK): D75.1 D81.1 D87.1 D93.1 D99.1 D105.1 D111.1 D117.1 D123.1 D129.1 D135.1 D141.1 R27.2
Net-(D145-BK): D145.2 D151.2 D157.2 D163.2 D169.2 D175.2 D181.2 D187.2 D193.2 D199.2 D205.2 D211.2 R42.2
Net-(D145-GK): D145.4 D151.4 D157.4 D163.4 D169.4 D175.4 D181.4 D187.4 D193.4 D199.4 D205.4 D211.4 R41.2
Net-(D145-RK): D145.1 D151.1 D157.1 D163.1 D169.1 D175.1 D181.1 D187.1 D193.1 D199.1 D205.1 D211.1 R40.2
Net-(D146-BK): D146.2 D152.2 D158.2 D164.2 D170.2 D176.2 D182.2 D188.2 D194.2 D200.2 D206.2 D212.2 R45.2
Net-(D146-GK): D146.4 D152.4 D158.4 D164.4 D170.4 D176.4 D182.4 D188.4 D194.4 D200.4 D206.4 D212.4 R44.2
Net-(D146-RK): D146.1 D152.1 D158.1 D164.1 D170.1 D176.1 D182.1 D188.1 D194.1 D200.1 D206.1 D212.1 R43.2
Net-(D147-BK): D147.2 D153.2 D159.2 D165.2 D171.2 D177.2 D183.2 D189.2 D195.2 D201.2 D207.2 D213.2 R48.2
Net-(D147-GK): D147.4 D153.4 D159.4 D165.4 D171.4 D177.4 D183.4 D189.4 D195.4 D201.4 D207.4 D213.4 R47.2
Net-(D147-RK): D147.1 D153.1 D159.1 D165.1 D171.1 D177.1 D183.1 D189.1 D195.1 D201.1 D207.1 D213.1 R46.2
Net-(D148-BK): D148.2 D154.2 D160.2 D166.2 D172.2 D178.2 D184.2 D190.2 D196.2 D202.2 D208.2 D214.2 R51.2
Net-(D148-GK): D148.4 D154.4 D160.4 D166.4 D172.4 D178.4 D184.4 D190.4 D196.4 D202.4 D208.4 D214.4 R50.2
Net-(D148-RK): D148.1 D154.1 D160.1 D166.1 D172.1 D178.1 D184.1 D190.1 D196.1 D202.1 D208.1 D214.1 R49.2
Net-(D149-BK): D149.2 D155.2 D161.2 D167.2 D173.2 D179.2 D185.2 D191.2 D197.2 D203.2 D209.2 D215.2 R54.2
Net-(D149-GK): D149.4 D155.4 D161.4 D167.4 D173.4 D179.4 D185.4 D191.4 D197.4 D203.4 D209.4 D215.4 R53.2
Net-(D149-RK): D149.1 D155.1 D161.1 D167.1 D173.1 D179.1 D185.1 D191.1 D197.1 D203.1 D209.1 D215.1 R52.2
Net-(D150-BK): D150.2 D156.2 D162.2 D168.2 D174.2 D180.2 D186.2 D192.2 D198.2 D204.2 D210.2 D216.2 R57.2
Net-(D150-GK): D150.4 D156.4 D162.4 D168.4 D174.4 D180.4 D186.4 D192.4 D198.4 D204.4 D210.4 D216.4 R56.2
Net-(D150-RK): D150.1 D156.1 D162.1 D168.1 D174.1 D180.1 D186.1 D192.1 D198.1 D204.1 D210.1 D216.1 R55.2
Net-(D217-BK): D217.2 D223.2 D229.2 D235.2 D241.2 D247.2 D253.2 D259.2 D265.2 D271.2 D277.2 D283.2 R61.2
Net-(D217-GK): D217.4 D223.4 D229.4 D235.4 D241.4 D247.4 D253.4 D259.4 D265.4 D271.4 D277.4 D283.4 R60.2
Net-(D217-RK): D217.1 D223.1 D229.1 D235.1 D241.1 D247.1 D253.1 D259.1 D265.1 D271.1 D277.1 D283.1 R59.2
Net-(D218-BK): D218.2 D224.2 D230.2 D236.2 D242.2 D248.2 D254.2 D260.2 D266.2 D272.2 D278.2 D284.2 R64.2
Net-(D218-GK): D218.4 D224.4 D230.4 D236.4 D242.4 D248.4 D254.4 D260.4 D266.4 D272.4 D278.4 D284.4 R63.2
Net-(D218-RK): D218.1 D224.1 D230.1 D236.1 D242.1 D248.1 D254.1 D260.1 D266.1 D272.1 D278.1 D284.1 R62.2
Net-(D219-BK): D219.2 D225.2 D231.2 D237.2 D243.2 D249.2 D255.2 D261.2 D267.2 D273.2 D279.2 D285.2 R67.2
Net-(D219-GK): D219.4 D225.4 D231.4 D237.4 D243.4 D249.4 D255.4 D261.4 D267.4 D273.4 D279.4 D285.4 R66.2
Net-(D219-RK): D219.1 D225.1 D231.1 D237.1 D243.1 D249.1 D255.1 D261.1 D267.1 D273.1 D279.1 D285.1 R65.2
Net-(D220-BK): D220.2 D226.2 D232.2 D238.2 D244.2 D250.2 D256.2 D262.2 D268.2 D274.2 D280.2 D286.2 R70.2
Net-(D220-GK): D220.4 D226.4 D232.4 D238.4 D244.4 D250.4 D256.4 D262.4 D268.4 D274.4 D280.4 D286.4 R69.2
Net-(D220-RK): D220.1 D226.1 D232.1 D238.1 D244.1 D250.1 D256.1 D262.1 D268.1 D274.1 D280.1 D286.1 R68.2
Net-(D221-BK): D221.2 D227.2 D233.2 D239.2 D245.2 D251.2 D257.2 D263.2 D269.2 D275.2 D281.2 D287.2 R73.2
Net-(D221-GK): D221.4 D227.4 D233.4 D239.4 D245.4 D251.4 D257.4 D263.4 D269.4 D275.4 D281.4 D287.4 R72.2
Net-(D221-RK): D221.1 D227.1 D233.1 D239.1 D245.1 D251.1 D257.1 D263.1 D269.1 D275.1 D281.1 D287.1 R71.2
Net-(D222-BK): D222.2 D228.2 D234.2 D240.2 D246.2 D252.2 D258.2 D264.2 D270.2 D276.2 D282.2 D288.2 R76.2
Net-(D222-GK): D222.4 D228.4 D234.4 D240.4 D246.4 D252.4 D258.4 D264.4 D270.4 D276.4 D282.4 D288.4 R75.2
Net-(D222-RK): D222.1 D228.1 D234.1 D240.1 D246.1 D252.1 D258.1 D264.1 D270.1 D276.1 D282.1 D288.1 R74.2
Net-(D289-BK): D289.2 D295.2 D301.2 D307.2 D313.2 D319.2 D325.2 D331.2 D337.2 D343.2 D349.2 D355.2 R80.2
Net-(D289-GK): D289.4 D295.4 D301.4 D307.4 D313.4 D319.4 D325.4 D331.4 D337.4 D343.4 D349.4 D355.4 R79.2
Net-(D289-RK): D289.1 D295.1 D301.1 D307.1 D313.1 D319.1 D325.1 D331.1 D337.1 D343.1 D349.1 D355.1 R78.2
Net-(D290-BK): D290.2 D296.2 D302.2 D308.2 D314.2 D320.2 D326.2 D332.2 D338.2 D344.2 D350.2 D356.2 R83.2
Net-(D290-GK): D290.4 D296.4 D302.4 D308.4 D314.4 D320.4 D326.4 D332.4 D338.4 D344.4 D350.4 D356.4 R82.2
Net-(D290-RK): D290.1 D296.1 D302.1 D308.1 D314.1 D320.1 D326.1 D332.1 D338.1 D344.1 D350.1 D356.1 R81.2
Net-(D291-BK): D291.2 D297.2 D303.2 D309.2 D315.2 D321.2 D327.2 D333.2 D339.2 D345.2 D351.2 D429.2 R86.2